# Altium PCB old PT1000_16CH.PCBDOC (part 4 of 5) (continued)
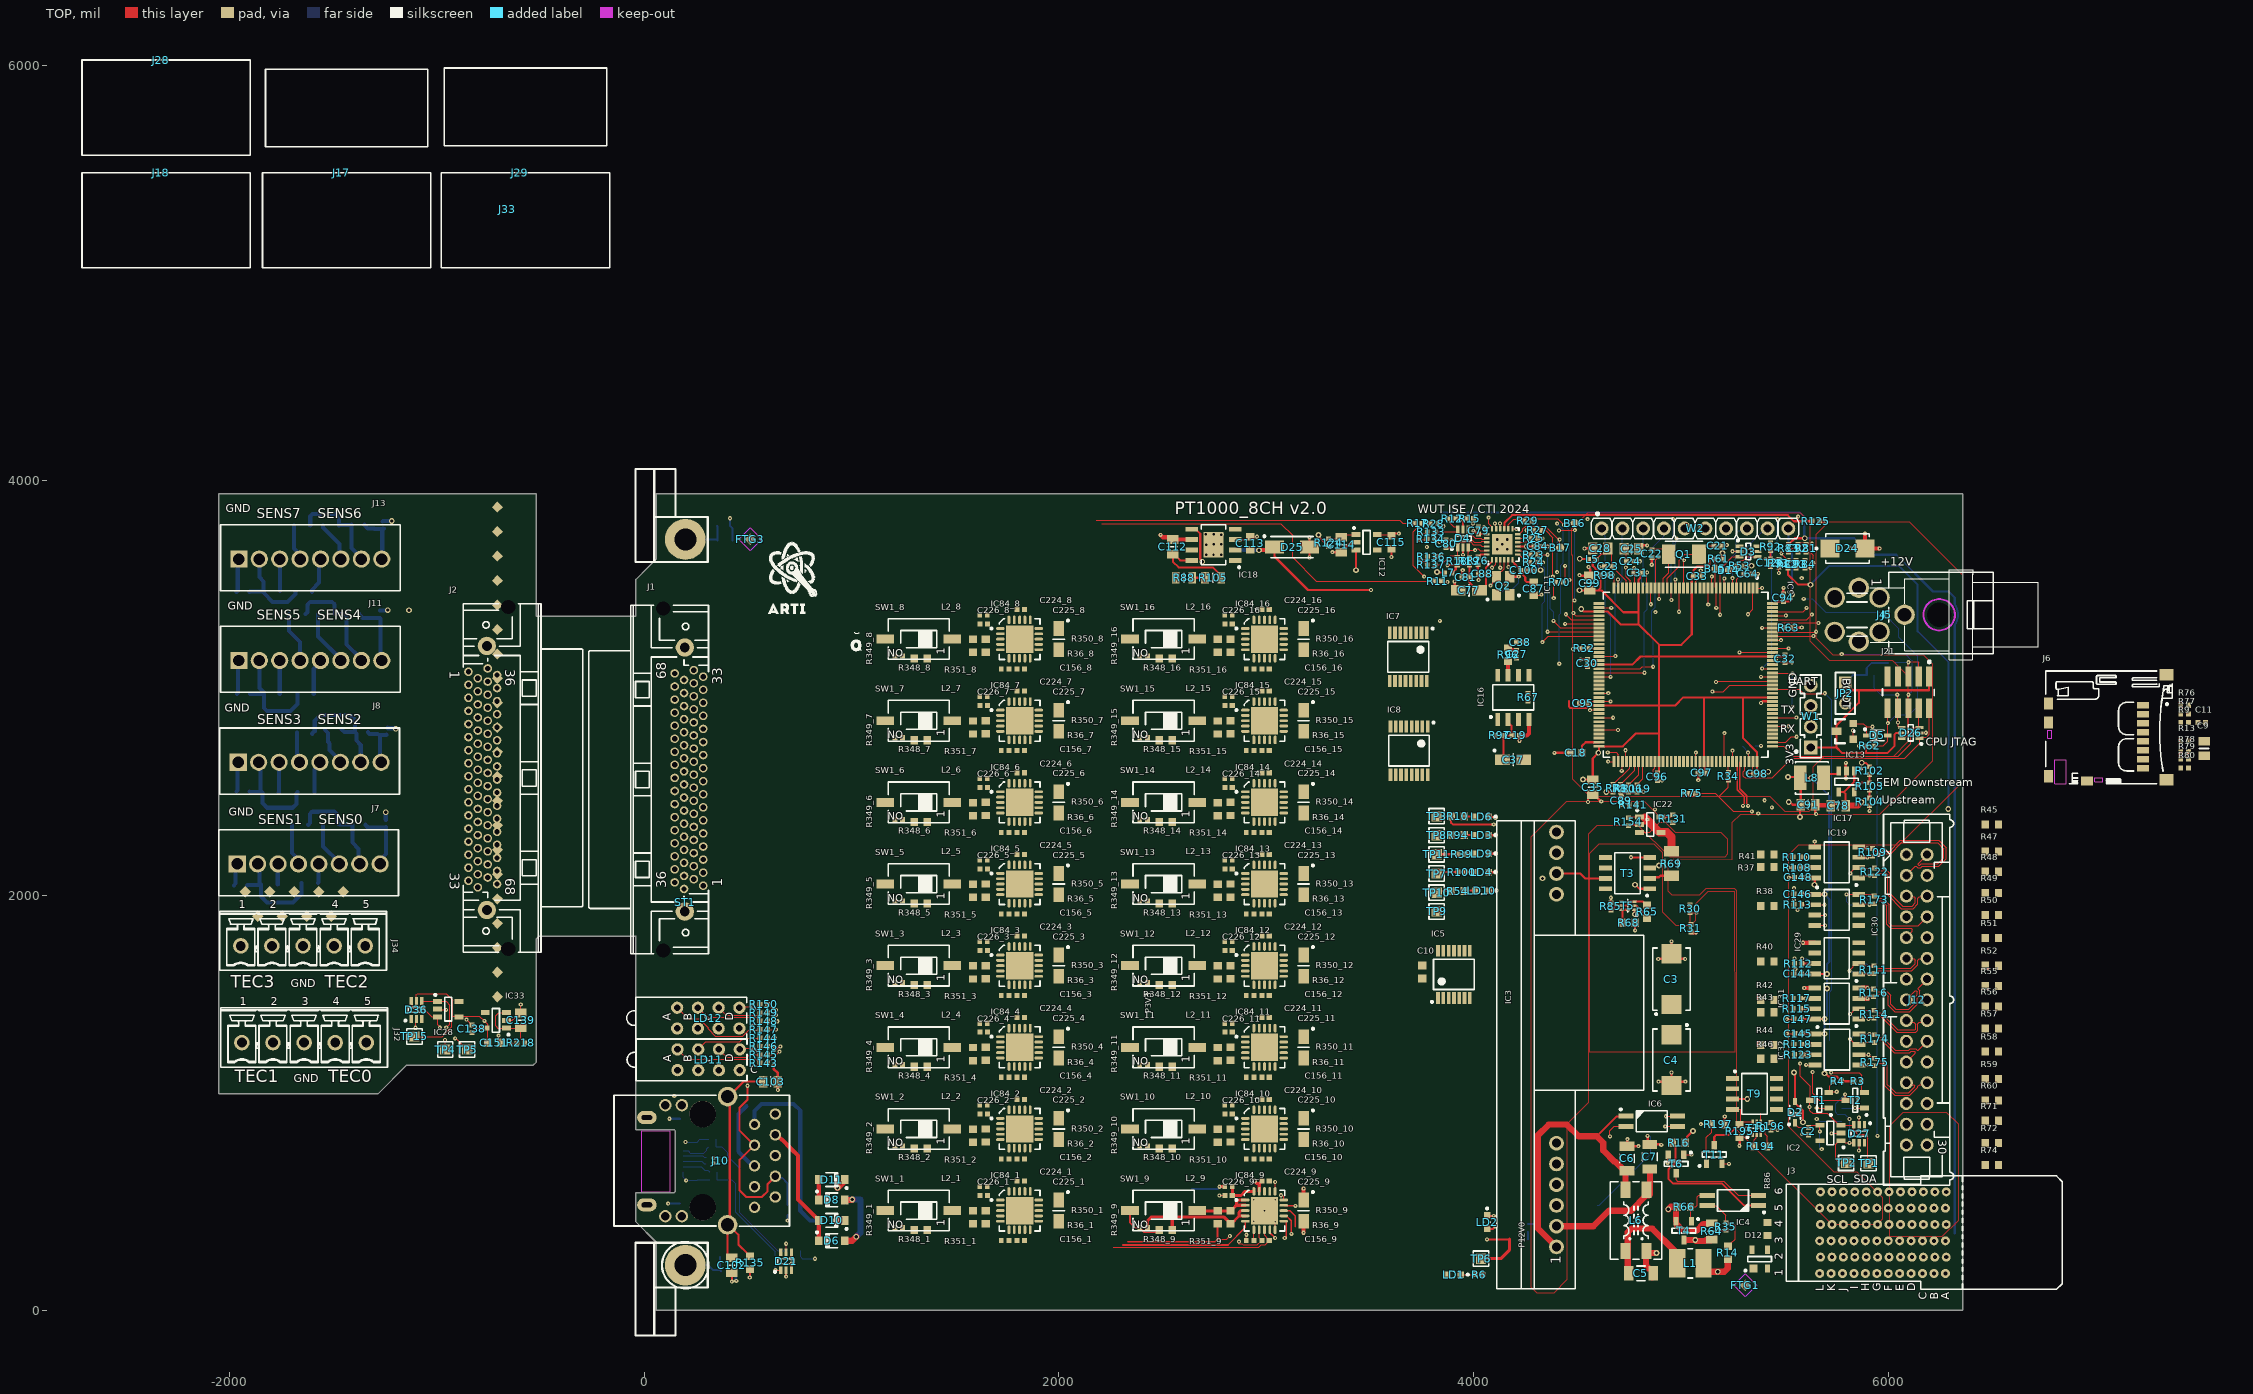
[diagram p0: TOP view]
## Nets (pads, with @x,y where several pads share a name; then routed paths per layer and width w, separated by ;. In a path a pad name is that pad's centre, name@x,y a point inside that pad or via, vN(x,y) a via of type N, cw(c..) or ccw(c..) an arc to the next point about the centre after c; other vN are vias at no path point) (continued)
  BOT w5: R2.1@5776.32,975 v1(5839.31,975)
NetR65_1: R65.1 T5.2 | length 94.6
  TOP w10: T5.2@4775.21,1950.79 4776.12,1949.88 4787.7,1949.88 4822.53,1915.05 4822.53,1902.49 4835.25,1889.77 R65.1@4837.22,1889.77
NetR65_2: R65.2 R85.2 T5.3 T5.5 | length 200
  TOP w10: R85.2@4662.02,1928.27 4662.81,1928.27 4685.32,1950.79 T5.5@4713,1950.79 4739.23,1950.79 4758,1969.57 4774.3,1969.57 T5.3@4775.21,1970.47 4817.54,1970.47 4835.25,1952.76 R65.2@4837.22,1952.76
NetR68_2: R68.2 T3.4 T5.6 | length 174.4
  TOP w10: T5.6@4713,1931.1 T5.6@4716.73,1931.1 ; R68.2@4717.63,1879.26 4717.63,1930.2 T5.6@4716.73,1931.1 ; v1(4744.09,1929.68) 4742.69,1929.68 4741.27,1931.1 T5.6@4716.73,1931.1 ; v1(4759.34,2184.27) 4760.31,2183.3 4848.06,2183.3 T3.4@4849.03,2182.33
NetR88_2: R88.2 R105.1 | length 61.3
  TOP w10: R88.2@2643.37,3532 R105.1@2704.63,3532
NetR103_1: R103.1 R104.2 | length 36.6
  TOP w10: R104.2@5910.44,2470.52 R103.1@5910.44,2507.13
NetR194_1: R194.1 T10.2 | length 61.9
  TOP w5: R194.1@5353.14,790.21 5353.14,821.77 5362.69,831.33 5362.69,843.3 T10.2@5366.1,846.7
NetR194_2: R194.2 R196.2 T10.3 T10.5 | length 231.4
  TOP w5: T10.5@5366.1,908.91 5366.1,883.78 5371.67,878.2 5388.78,878.2 ; T10.3@5385.78,846.7 5385.78,875.2 5388.78,878.2 ; R194.2@5416.13,790.21 5416.13,839.45 5405.89,849.68 5405.89,878.2 ; R196.2@5433.85,905.36 5433.06,905.36 5405.89,878.2 ; 5388.78,878.2 5405.89,878.2
NetR195_2: R195.2 T9.4 T10.6 T11.3 | length 351
  TOP w5: T9.4@5248.81,968.16 5286.83,968.16 5289.76,965.23 5289.76,902.22 5296.46,908.91 T10.6@5346.41,908.91
  TOP w10: T11.3@5160.91,796.11 5160.91,835.5 5171.23,845.83 5231.38,845.83 ; 5231.4,845.82 5281.1,895.52 R195.2@5283.07,895.52
NetR348_1_2: R348_1.2 R349_1.2 SW1_1.2
NetR348_2_2: R348_2.2 R349_2.2 SW1_2.2
NetR348_3_2: R348_3.2 R349_3.2 SW1_3.2
NetR348_4_2: R348_4.2 R349_4.2 SW1_4.2
NetR348_5_2: R348_5.2 R349_5.2 SW1_5.2
NetR348_6_2: R348_6.2 R349_6.2 SW1_6.2
NetR348_7_2: R348_7.2 R349_7.2 SW1_7.2
NetR348_8_2: R348_8.2 R349_8.2 SW1_8.2
NetR348_9_2: R348_9.2 R349_9.2 SW1_9.2 | length 222.2
  TOP w7.87: SW1_9.2@2343.42,480.32 2343.42,421.26 2366.23,398.44 R349_9.2@2391.04,398.44 ; R349_9.2@2391.04,397.66 2412.39,376.3 2473.82,376.3 R348_9.2@2484.03,386.52
NetR348_10_2: R348_10.2 R349_10.2 SW1_10.2
NetR348_11_2: R348_11.2 R349_11.2 SW1_11.2
NetR348_12_2: R348_12.2 R349_12.2 SW1_12.2
NetR348_13_2: R348_13.2 R349_13.2 SW1_13.2
NetR348_14_2: R348_14.2 R349_14.2 SW1_14.2
NetR348_15_2: R348_15.2 R349_15.2 SW1_15.2
NetR348_16_2: R348_16.2 R349_16.2 SW1_16.2
NRST: IC9.129 IC11.15 R125.2 | length 1562.6
  TOP w5: 5565.52,3804.39 v1(5565.52,3826.46)
  TOP w10: IC11.15@4148.41,3767.72 4148.41,3796.3 4186.46,3834.34 5515.14,3834.34 5545.09,3804.39 5565.52,3804.39 R125.2@5632.23,3804.39
P3V0REF: C27.2 C38.1 IC16.6 R54.1 R70.2 TP10.1 | length 157.2
  TOP w5: v1(4387,3434) 4387,3500.96 R70.2@4396.87,3510.83
  TOP w10: TP10.1@3821.87,2013.51 3829.76,2021.4 R54.1@3892.37,2021.4
  L2 w5: v1@4385.25,3432.25 v1(4387,3434)
P3V3: C9.2 C11.1 C29.1 C30.1 C31.1 C32.1 C33.1 C35.1 C84.2 C91.1 C94.1 C95.1 C96.1 C97.1 C98.1 C99.1 C144.2 C145.2 C146.2 C147.2 C148.2 C224_1.1 C224_2.1 C224_3.1 C224_4.1 C224_5.1 C224_6.1 C224_7.1 C224_8.1 C224_9.1 C224_10.1 C224_11.1 C224_12.1 C224_13.1 C224_14.1 C224_15.1 C224_16.1 C225_1.1 C225_2.1 C225_3.1 C225_4.1 C225_5.1 C225_6.1 C225_7.1 C225_8.1 C225_9.1 C225_10.1 C225_11.1 C225_12.1 C225_13.1 C225_14.1 C225_15.1 C225_16.1 D2.2 D3.5 D12.4 D26.5 IC7.6 IC7.16 IC8.16 IC9.17 IC9.30 IC9.39 IC9.52 IC9.62 IC9.72 IC9.84 IC9.95 IC9.108 IC9.121 IC9.131 IC9.143 IC9.144 IC11.9 IC12.3 IC13.3 IC18.5 IC19.8 IC23.1 IC29.8 IC30.1 IC31.8 IC32.1 IC36.1 IC39.8 IC40.1 IC41.8 IC84_1.19 IC84_2.19 IC84_3.19 IC84_4.19 IC84_5.19 IC84_6.19 IC84_7.19 IC84_8.19 IC84_9.19 IC84_10.19 IC84_11.19 IC84_12.19 IC84_13.19 IC84_14.19 IC84_15.19 IC84_16.19 J6.4 J21.1 JP2.1 L2_1.2 L2_2.2 L2_3.2 L2_4.2 L2_5.2 L2_6.2 L2_7.2 L2_8.2 L2_9.2 L2_10.2 L2_11.2 L2_12.2 L2_13.2 L2_14.2 L2_15.2 L2_16.2 L5.2 L7.2 L8.2 LD1.2 R3.2 R4.2 R5.1 R7.2 R9.2 R13.2 R16.2 R20.1 R21.1 R22.1 R33.2 R53.1 R61.1 R62.1 R67.2 R76.2 R77.2 R78.2 R79.2 R80.2 R92.2 R94.1 R98.1 R99.1 R102.2 TP8.1 W1.1 W2.10 | length 14681.6
  TOP w10: IC18.5@2641.73,3765.94 2660.43,3765.94 2682.24,3744.13 2682.24,3623.51 2692,3613.75 v2(2692,3609) ; v2(3433.3,3568.89) IC12.3@3433.3,3665.68 ; v2(3824.25,3559.43) 3826.41,3557.27 3858.89,3557.27 L7.2@3861.05,3555.12 ; IC11.9@4213.37,3683.07 v2(4256.99,3683.07) C84.2@4290.93,3683.07 ; 4460.37,2936.95 4460.37,2910.69 4466.44,2904.61 4543.59,2904.61 4546.53,2907.55 C95.1@4546.53,2926.81 4557.26,2916.08 IC9.62@4604.44,2916.08 4894.8,2916.08 ; v2(4511.35,3471.2) C99.1@4560.15,3471.2 4600.91,3471.2 ; v2(4512.04,3623.22) 4513.59,3621.67 4553.28,3621.67 L5.2@4554.83,3620.12 ; v2(4518.96,3381.63) 4531.75,3368.84 IC9.39@4604.44,3368.84 4648.5,3368.84 4710.52,3306.82 4796.37,3306.82 ; v2(4528.24,2559.5) 4572.68,2559.5 C35.1@4575.09,2557.09 4575.09,2660.69 v2(4602.14,2687.74) 4604.44,2690.04 IC9.72@4604.44,2719.23 4719.94,2719.23 4781.45,2780.75 4894.8,2780.75 ; C30.1@4549.32,3103.09 4559.17,3112.93 IC9.52@4604.44,3112.93 4766.04,3112.93 4805.41,3152.3 4894.8,3152.3 ; L5.2@4554.83,3623.22 L5.2@4554.83,3620.12 ; v2(4639.76,2499.02) 4640.35,2498.43 R7.2@4673.23,2498.43 ; C31.1@4810.15,3555.12 4802.95,3547.91 4802.95,3530.18 4796.37,3523.6 4796.37,3365.72 ; C96.1@4886.24,2590.89 4894.8,2599.44 4894.8,2780.75 ; R16.2@5008.29,792.49 5021,805.2 R16.2@5021,807.17 5029.65,815.82 5029.65,836 v2(5058.28,864.63) ; C33.1@5052.28,3539.83 IC9.17@5052.28,3482.03 5052.28,3258.94 5001.73,3208.39 4894.8,3208.39 ; C33.1@5060.44,3539.83 5060.44,3567.03 5080.36,3586.95 5130.25,3586.95 5137.91,3594.6 5137.91,3617 5143.51,3622.6 R61.1@5165.12,3622.6 ; C97.1@5119.21,2591.28 5113.22,2597.26 5113.22,2643.52 IC9.95@5111.33,2645.41 5111.33,2953.56 5113.22,2955.45 ; v2(5200.92,3651.76) 5200.92,3629.8 5202.12,3623.39 ; 5302.66,3589.57 v2(5340.68,3589.57) ; v2(5327.87,3658.46) D3.5@5369.09,3658.46 D3.5@5371.97,3661.34 ; v2(5420.77,2596.46) 5416.31,2596.46 5406.8,2586.94 C98.1@5384.95,2586.94 5377.75,2594.15 5377.75,2597.26 5367.24,2607.78 IC9.108@5367.24,2645.41 5367.24,2691.34 5298.72,2759.86 5298.72,2955.45 ; R92.2@5432.28,3699.61 R92.2@5433.07,3699.61 R92.2@5433.86,3699.61 ; IC9.121@5441.06,2955.45 5298.72,2955.45 ; IC9.144@5441.06,3408.21 5462.71,3408.21 5472.55,3418.05 C94.1@5494.21,3418.05 5526.37,3418.05 5535.93,3427.61 v2(5535.93,3451.34) ; C32.1@5503.06,3160.18 5495.19,3152.3 IC9.131@5441.06,3152.3 4894.8,3152.3 ; v2(5517,2571) 5559.9,2571 5565.51,2576.61 L8.2@5575.22,2566.9 ; v2(5520,2451) 5525.77,2451 5539.28,2437.49 C91.1@5578.04,2437.49 ; v2(5545.74,1146) 5551.18,1140.56 D2.2@5551.18,1006.5 5551.18,998.62 5589,960.8 v2(5589,907) ; v2(5574.39,2378.03) 5574.39,2433.85 C91.1@5578.04,2437.49 ; C147.2@5581.17,1403.79 IC31.8@5645.41,1403.79 v2(5693,1403.79) ; C144.2@5581.17,1621.79 IC29.8@5645.41,1621.79 v2(5704.47,1621.79) ; C146.2@5581.17,2006.6 5581.78,2005.99 5644.8,2005.99 IC30.1@5645.41,2005.38 ; C148.2@5583.14,2087.61 5584.8,2085.95 5643.76,2085.95 IC19.8@5645.42,2084.29 5645.42,2052.74 v2(5644.8,2052.12) ; C145.2@5584.46,1333.65 v2(5693,1333.65) ; W1.1@5625.98,2713.39 5750.26,2713.39 ; v2(5628.66,2566.9) L8.2@5575.22,2566.9 ; IC30.1@5645.41,2005.38 v2(5693,2005.37) ; v2(5693,1142) 5697.75,1142 5713.61,1126.14 5752.54,1126.14 5773.96,1104.73 R4.2@5773.96,1103.94 ; R4.2@5775.98,1105.96 R4.2@5773.96,1103.94 ; JP2.1@5792.58,3026.02 5828.88,2989.72 5858.01,2989.72 ; R3.2@5835.32,1103.94 R4.2@5773.96,1103.94 ; v1(5858.15,2721.2) 5893.08,2721.2 R62.1@5893.17,2721.3 5893.17,2687.74 ; v2(5872.2,2639.58) 5891.68,2639.58 R102.2@5910.44,2620.82 ; D26.5@6064.58,2783.99 6038.93,2783.99 6029.53,2774.59 6029.53,2720.26 5997,2687.74 5893.17,2687.74 ; J21.1@6196.85,3051.18 6196.85,2989.72 5858.01,2989.72 ; L5.2@4554.83,3620.12 4554.83,3619.72 4569.24,3605.31 4569.24,3603.77 4575.07,3597.94 4575.07,3589.52 4597.71,3566.88 4597.71,3561.09 4613.26,3545.54 R98.1@4613.26,3544.75 4613.26,3483.55 4600.91,3471.2 ; 4600.91,3471.2 4616.93,3471.2 4722.42,3365.72 4796.37,3365.72 ; 4796.37,3306.82 4796.37,3365.72 ; 4796.37,3306.82 4894.8,3208.39 ; 4894.8,2780.75 4894.8,2916.08 ; 4894.8,2916.08 4894.8,3152.3 ; 4894.8,2916.08 4972.63,2916.08 5012,2955.45 5113.22,2955.45 ; 4894.8,3152.3 4894.8,3208.39 ; 5113.22,2955.45 5298.72,2955.45 ; L8.2@5575.22,2566.9 5578.04,2564.09 C91.1@5578.04,2437.49 ; 5750.26,2713.39 5775.9,2687.74 5893.17,2687.74 ; 5750.26,2713.39 IC13.3@5750.26,2792.16 5750.26,2821.39 5858.01,2929.14 5858.01,2989.72
  TOP w15: v1@2775.58,596.37 L2_9.2@2800.18,596.37 ; v3(2943.39,623.23) 2956.39,610.23 2966.54,610.23 ; IC84_9.19@2966.54,572.83 2966.54,610.23 ; C224_9.1@2979.53,623.23 2966.54,610.24
  TOP w19.68: C225_9.1@3181.1,531.5 v1(3181.1,587.12)
  L2 w10: v2(2692,3609) 3393.2,3609 v2(3433.3,3568.89) 3810.03,3568.89 3819.5,3559.43 v2(3824.25,3559.43) ; v2(4322.82,3568.89) 4348.12,3568.89 4408.2,3628.98 4512.05,3623.39 v2(4512.04,3623.22) ; v2@4329.87,2079.63 v2(4332.57,2082.33) ; v2(4528.24,2559.5) 4579.28,2559.5 v2(4639.76,2499.02) ; v2(5200.92,3651.76) 5204.54,3651.76 5223.08,3670.3 5231.2,3670.3 5258.91,3698.01 5288.33,3698.01 v2(5327.87,3658.46) ; v2(5420.77,2596.46) 5490.69,2596.46 5516.14,2571 v2(5517,2571) ; v2(5545.74,1146) 5550.49,1146 5567.71,1128.78 5675.03,1128.78 5688.25,1142 v2(5693,1142) ; v2(5628.66,2566.9) 5751.12,2566.9 5823.8,2639.58 v2(5872.2,2639.58) 5872.2,2684.13 5858.15,2698.18 v1(5858.15,2721.2) ; v2(5644.8,2052.12) 5645.53,2052.12 5692.28,2005.37 v2(5693,2005.37)
  BOT w10: v2(4256.99,3683.07) 4292.67,3683.07 ; R99.1@4280.24,3820.67 4280.24,3819.88 4306.81,3793.31 4306.81,3780.85 4326.17,3761.5 R22.1@4326.17,3760.71 4326.17,3759.92 4305.61,3739.36 4305.61,3696.02 4292.67,3683.07 ; v2(4322.82,3568.89) 4313.61,3578.11 4313.61,3599.38 R21.1@4307.67,3605.32 4307.67,3668.07 4292.67,3683.07 ; v2(5327.87,3658.46) 5327.87,3607.13 5340.68,3594.32 v2(5340.68,3589.57) ; W2.10@5518.1,3769.91 5518.1,3672.75 5535.93,3654.91 v2(5535.93,3451.34) ; v2(5628.66,2566.9) 5715.54,2480.01 5715.54,2027.92 v2(5693,2005.37) ; v2(5644.8,2052.12) 5644.8,2083.67 IC23.1@5645.42,2084.29 ; IC40.1@5645.41,1403.79 v2(5693,1403.79) 5693,1408.54 5704.47,1420.01 v2(5704.47,1551.51) v2(5704.47,1621.79) ; IC36.1@5645.41,1621.79 v2(5704.47,1621.79) ; IC39.8@5645.42,2005.37 v2(5693,2005.37) ; IC41.8@5646.65,1331.89 5691.24,1331.89 v2(5693,1333.65) ; v2(5693,1142) v2(5693,1333.65) ; v2@5693,1403.16 v2(5693,1333.65) ; JP2.1@5792.58,3026.02 5829.39,3062.83 R33.2@5896.12,3062.83 5896.12,3097.48 5920.58,3121.94 C29.1@5997.75,3121.94 ; v2(5693,2005.37) 5715.54,1982.83 5715.54,1680.04 5704.47,1668.97 v2(5704.47,1621.79)
  other v1: 2774.68,595.47
P3V3_AFE: C138.2 C151.2 D36.5 IC28.4 IC33.5 TP15.1 | length 903.7
  TOP w5: TP15.1@-1107.13,1319.88 -1106.13,1318.88 -974.11,1318.88 -927.08,1365.91 -927.08,1413.61 -922.5,1418.19 ; D36.5@-1097.28,1491.14 -1097.28,1522.66 -1093.06,1526.89 -954.42,1526.89 -922.5,1494.96 -922.5,1418.19 ; C138.2@-830.55,1339.57 -809.88,1360.24 IC33.5@-765.59,1360.24 ; C151.2@-753.78,1289.37 -753.78,1360.24 -753.78,1378.78 v1(-770,1395) -793.72,1418.72 -888.21,1418.72 IC28.4@-892.56,1414.37 -896.38,1418.19 -922.5,1418.19
P3V3_MP: C1.2 C2.2 C10.2 D2.1 D27.5 IC1.8 IC2.4 IC5.14 J12.30 R10.1 TP3.1 | length 1127.7
  TOP w5: D2.1@5551.18,896.26 5565.86,881.58 C2.2@5615.89,881.58 5626.12,891.82 IC2.4@5670.02,891.82 v1(5670.02,862.29) ; v1(5858.01,770.04) 5859.72,771.76 D27.5@5859.72,807.17
  TOP w10: TP3.1@3821.87,2382.85 3823.8,2380.93 R10.1@3892.37,2380.93 3892.37,2350.77 3900.23,2342.92 v1(4097.39,2342.92)
  L2 w5: v1(5679.29,776.41) 5847.67,776.41 5854.04,770.04 v1(5858.01,770.04) 5870.28,757.79 6148.18,757.79 J12.30@6187.18,796.79
  BOT w5: v1(5670.02,862.29) 5670.02,786.68 5679.29,777.41 v1(5679.29,776.41)
P3V3IO: C115.2 IC12.5 | length 111.1
  TOP w5: IC12.5@3535.67,3740.49 3598.52,3740.49 C115.2@3604.43,3734.58
  TOP w10: C115.2@3604.43,3734.58 3614.6,3744.76 3640.1,3744.76 v1(3640.14,3744.72)
P5V0: C78.2 IC17.1 IC17.4 R82.1 R100.1 R124.1 TP7.1 | length 5859.4
  TOP w10: v2(3252,3738) 3255.36,3734.64 3255.36,3727.87 3299.96,3683.27 R124.1@3300.75,3683.27 ; TP7.1@3821.87,2105.85 3828.31,2112.29 R100.1@3924.66,2112.29 ; R82.1@5516.41,3578.67 5516.41,3547.36 5565.19,3498.58 v2(5624.64,3498.58) ; IC17.4@5761.29,2498.19 5785.89,2498.19 ; C78.2@5794.15,2433.2 5794.15,2489.92 5785.89,2498.19 ; IC17.1@5833.14,2603.5 IC17.1@5836.09,2600.55 5836.09,2548.39 5785.89,2498.19
  TOP w30: C78.2@5794.15,2433.2 5853.29,2433.2 v2(5870.52,2450.43)
  L2 w10: 6272.21,2400.21 v2(6289,2417)
  L2 w30: 4761.58,595.43 5952.58,595.43 ; v2(5870.52,2450.43) 6205.57,2450.43 6272.79,2383.21 ; 6149.43,595.43 6281,727 6281,2375
  BOT w10: v2(5624.64,3498.58) 5715.08,3589.02 6050.98,3589.02 6142,3498 6142,3273.47 6291,3124.47 6291,2419 v2(6289,2417)
P5V0_AFE: L10.2 L11.2 L12.2 L13.2 R218.1 | length 1022.6
  TOP w5: v1(-644.34,1286.03) -616.18,1286.03 R218.1@-612.83,1289.37
  L2 w5: v1@-645.16,1286.84 v1(-644.34,1286.03)
  L2 w19.68: -874.82,2179.06 -700,2004.25 -700,1357.94 -644.34,1302.28 v1(-644.34,1286.03)
  other v2: -1133,3375
P5V0A: C113.2 D25.1 IC18.1 IC18.2 R1.2 R2.2 R39.1 TP11.1 | length 968.8
  TOP w5: TP11.1@3821.87,2198.18 TP11.1@3822.33,2198.64
  TOP w10: D25.1@3026.96,3666.73 D25.1@3040.35,3680.11 3040.35,3634.6 3201.92,3473.03 v1(3505.47,3473.03) ; TP11.1@3822.33,2198.64 R39.1@3924.66,2198.64
  TOP w19.68: v2@2966.94,3665 3033,3665 D25.1@3034,3666
  BOT w5: v1(5655,922) 5658.97,922 5668.97,912.01 R2.2@5776.32,912.01
  BOT w19.68: 2889.55,3665 v2(2966,3665)
P12V0: IC22.4 J3.A1 J3.D1 J3.E1 J3.G1 J3.H1 J3.J1 J3.K1 R69.2 R83.2 R88.1 R90.2 R97.1 TP6.1 | length 6468.2
  TOP w10: R88.1@2552.75,3515.75 R88.1@2565,3528 ; v1(4065.23,341.62) 4173.15,341.62 ; R97.1@4107.48,2771.65 R97.1@4107.48,2772.44 ; R83.2@5519.69,3693.07 5520.47,3693.07 5550.09,3722.69 v2(5597.13,3722.69)
  TOP w15.75: TP6.1@4036.11,249 4132.14,249 4173.15,290.01 4173.15,341.62
  TOP w40: 4826.33,2374.73 IC22.4@4896.71,2304.36 ; IC22.4@4903.54,2304.36 4933.24,2304.36 4954.72,2282.88 R69.2@4954.72,2213.03
  BOT w10: 3841.3,3846.3 5575.02,3846.3 5594.86,3826.46 5594.86,3724.95 v2(5597.13,3722.69) 5719.01,3722.69 5836.14,3722.69 5915.88,3642.94 6038.87,3642.94 6215.81,3466 6291,3466 6317.76,3439.24 6320.69,3436.31 6320.69,3404.5 cw(c6245.7,3353.73) 6336.26,3353.6 6336.26,3352.9 cw(c6245.7,3353.73) 6320.69,3302.95 6320.69,370.69 ; 4262.08,341.62 4262.08,377.44 R90.2@4262.8,378.15
P12V0_EEM: J12.28 J12.29 T9.5 T9.6 T9.7 T9.8 T10.4 | length 44.4
  TOP w5: T10.4@5385.78,908.91 5385.78,925.2 5384.93,926.06 5384.93,930.2 5385.78,931.06 5385.78,949.49 ; T9.5@5459.23,970.34 T9.5@5461.41,968.16
P12V0_IN: D24.1 IC22.5 J4.3 J5.3 J5.4 R69.1 R131.2 T3.1 T3.2 T3.3 T5.1 T9.1 T9.2 T9.3 T10.1 | length 373.8
  TOP w10: T5.1@4775.21,1931.1 4777.65,1931.1 4778.56,1930.2 4776.88,1930.2 4776.88,1911.27 v2(4778.56,1909.6) ; v2(4778.56,2052.12) 4779.67,2052.12 4799.46,2032.33 T3.1@4849.03,2032.33 ; T3.2@4849.03,2082.33 4854.34,2087.64 4894.54,2087.64 4901.81,2094.92 R69.1@4954.72,2094.92 ; IC22.5@4903.54,2379.16 4913.39,2379.16 R131.2@4949.92,2379.16 ; T9.3@5248.81,1018.16 T9.3@5248.81,1018.16 v2(5320.05,1018.24) v2(5320.05,1018.24) ; v2(5321.31,874.89) 5323.54,874.89 5346.41,852.02 T10.1@5346.41,846.7
  other v2: 4894.8,2144.52
P12V0_POE: C3.1 C4.1 IC3.8 R30.2 T3.5 T3.6 T3.7 T3.8 T5.4 | length 246.1
  TOP w10: IC3.8@4400,2105.72 4514.26,2105.72 4537.65,2082.33 T3.7@4636.43,2082.33
PC13: IC9.7 W2.9 | length 363.1
  TOP w5: IC9.7@5249.13,3482.03 v1(5249.13,3530.51)
  BOT w5: v1(5249.13,3530.51) 5249.13,3609.82 5409.22,3769.91 W2.9@5418.1,3769.91
PC14: IC9.8
PC15: IC9.9 W2.8 | length 349.9
  TOP w5: IC9.9@5209.76,3482.03 v1(5209.76,3528.65)
  BOT w5: v1(5209.76,3528.65) 5209.76,3594.94 5266.28,3651.46 5266.28,3747.39 5277.14,3758.25 5306.44,3758.25 W2.8@5318.1,3769.91
PF9: IC9.21
PF9_ADCIN: W2.7 | length 500.4
  TOP w5: 4973.54,3482.03 v1(4973.54,3523.6)
  L2 w5: v1(4979.57,3721.16) 5169.36,3721.16 W2.7@5218.11,3769.91
  BOT w5: v1(4973.54,3523.6) 4973.54,3701.32 4976.76,3704.55 4976.76,3718.35 v1(4979.57,3721.16)
PF10: IC9.22
PF10_ADCIN: W2.6 | length 624.6
  TOP w5: v1(4953.85,3424.96) 4953.85,3482.03
  L2 w5: v1(4962,3814.5) 5010.14,3814.5 5073.52,3814.5 W2.6@5118.11,3769.91
  BOT w5: v1(4953.85,3424.96) 4953.85,3634.79 4962,3642.94 v1(4962,3814.5)
PF12: IC9.50 W2.2 | length 710.4
  TOP w5: IC9.50@4604.44,3152.3 4605.79,3153.65 4682.65,3153.65 v1(4684,3155)
  BOT w5: v1(4684,3155) 4684,3486.07 4718.11,3520.18 4718.11,3573.74 4717.24,3574.61 4717.24,3672.17 4718.11,3673.04 W2.2@4718.11,3769.91
PF13: IC9.53 W2.4 | length 973.9
  TOP w5: IC9.53@4604.44,3093.25 4804.17,3093.25 4814.02,3103.09 v1(4866.14,3103.09)
  BOT w5: v1(4866.14,3103.09) 4866.14,3237.13 4859.66,3243.61 4859.66,3373.68 4877,3391.02 4877,3605.2 4859.66,3622.54 4859.66,3673.27 4918.11,3731.73 W2.4@4918.11,3769.91
PF14: IC9.54 W2.3 | length 938.4
  TOP w5: IC9.54@4604.44,3073.56 4824.55,3073.56 v1(4824.8,3073.82)
  BOT w5: W2.3@4818.11,3769.91 4819.61,3768.41 4819.61,3572 4810.15,3562.53 4810.15,3510.7 4838.08,3482.76 4838.08,3379.03 4824.5,3365.45 4824.5,3074.12 v1(4824.8,3073.82)
PF15: IC9.55 W2.1 | length 790.4
  TOP w5: IC9.55@4604.44,3053.88 v1(4661.04,3053.88)
  BOT w5: W2.1@4618.11,3769.91 4618.11,3750.6 4635.57,3733.14 4635.57,3369.61 4661.04,3344.13 v1(4661.04,3053.88)
PHY_RD_N: D4.1 IC11.22 R18.2 R137.1 | length 346.6
  TOP w6: R137.1@3813.74,3593.89 3845.29,3593.89 3889.54,3638.14 3913.07,3638.14 R18.2@3921.48,3629.72 3923.61,3631.85 3923.61,3689.17 3933.32,3698.89 3933.32,3700.36 3938.01,3705.05 3985.97,3705.05 3998.94,3692.08 4031.48,3692.08 4040.49,3683.07 IC11.22@4063.77,3683.07
PHY_RD_P: D4.3 IC11.23 R19.2 R136.1 | length 354.3
  TOP w6: R136.1@3814.92,3633.86 3814.92,3634.65 3823.34,3643.06 3826.22,3643.06 3826.86,3643.7 v1@3844.43,3643.7 ; 3974.79,3658.51 D4.3@3974.79,3678.35 ; R19.2@3979.9,3629.72 3974.79,3634.84 3974.79,3655.45 3976.62,3657.28 3976.62,3658.51 3980.21,3662.1 3983.11,3665 4006.39,3665 4008,3663.39 4009.34,3663.39 4018.36,3672.4 4023.33,3672.4 4032.34,3663.39 IC11.23@4063.77,3663.39
  L2 w6: v1(3846.06,3643.7) 3916.38,3643.7 3937.68,3665 v1(4008,3665)
PHY_TD_N: D4.4 IC11.20 R15.1 R134.1 | length 467.8
  TOP w6: R134.1@3817.85,3723.2 R134.1@3812.56,3717.91 3812.56,3717.12 3820.98,3708.7 3821.77,3708.7 3824.33,3706.14 3833.25,3706.14 v1(3835.87,3703.52) ; v1(3997.74,3793.1) 3997.74,3813.73 3997.74,3814.51 R15.1@4000.22,3817 4000.22,3814.51 4000.22,3793.1 3995.12,3787.99 3995.12,3785.29 3988.15,3778.32 3979.66,3778.32 3974.79,3773.45 3974.79,3754.13 3965.37,3744.72 3965.37,3738.28 3968.89,3734.76 3996,3734.76 4008.88,3721.89 4036.4,3721.89 4040.19,3718.1 4051.35,3718.1 4055.7,3722.44 IC11.20@4063.77,3722.44
  L2 w6: v1(3835.87,3703.52) 3925.45,3793.1 v1(3997.74,3793.1)
PHY_TD_P: D4.6 IC11.21 R12.1 R133.1 | length 365.9
  TOP w6: R133.1@3813.74,3753.34 3814.53,3754.13 D4.6@3923.61,3754.13 ; R12.1@3878.76,3817.34 3887.17,3808.93 3887.17,3795.63 3904.49,3778.32 3918.73,3778.32 3923.61,3773.45 D4.6@3923.61,3754.13 ; IC11.21@4063.77,3702.76 4055.7,3702.76 4051.35,3707.1 4040.33,3707.1 4036.4,3703.17 4003.41,3703.17 3990.53,3716.05 3960.22,3716.05 3933.32,3742.95 3933.32,3744.42 D4.6@3923.61,3754.13
POE_IN1: D7.2 D23.1 J10.5 | length 438.6
  BOT w20: 493.56,983.54 456.11,946.08 456.11,764 524.25,695.87 J10.5@533.04,695.87 ; D23.1@842.52,531.5 D7.2@842.52,629.92
POE_IN2: D6.1 D10.2 J10.8 | length 606.6
  TOP w20: J10.8@633.04,845.87 639.24,845.87 662.32,822.8 664.91,822.8 709.97,777.73 742.13,745.58 742.13,533.46 831.26,444.33 834.41,444.33 842.52,436.22 D10.2@842.52,433.07 ; D6.1@842.52,334.65 842.52,429.13 D10.2@846.46,433.07
POE_IN3: D8.1 D11.2 J10.10 | length 98.4
  TOP w20: D8.1@842.52,531.5 D11.2@842.52,629.92
POE_IN4: D9.1 D22.2 J10.9 | length 1003
  BOT w20: J10.9@533.04,895.87 533.04,960.93 567.02,994.91 721.62,994.91 753.6,962.94 753.6,479.44 799.97,433.07 D22.2@842.52,433.07 D9.1@842.52,334.65
POE_PWR_SRC: IC9.12 R30.1 R31.2 | length 589.8
  TOP w5: R31.2@5048.57,1860.49 5044.93,1864.13 R30.1@5044.93,1917.04 v1(5075.54,1917.04) ; v1(5149.27,3537.47) 5149.98,3536.75 5149.98,3482.75 IC9.12@5150.7,3482.03
  L2 w5: v1(5149.27,3537.47) 5194.05,3537.47 5204.43,3547.85 5350.27,3547.85 5367.61,3530.51 v1(5582.86,3530.51)
  other v1: 5563.08,1929.91
POE_VC+: D7.1 D10.1 D11.1 D22.1 L1.1 R14.2 | length 5080.2
  TOP w30: v2(925.2,433.07) D10.1@964.57,433.07 ; v2(933.07,590.55) 965.39,622.87 D11.1@965.39,623.66 ; L1.1@5108.14,208 5131.14,185 5171.72,185 v2(5178.15,185) 5208.8,185 5226.38,202.57 R14.2@5226.38,244.97
  L2 w30: v2(933.07,590.55) 925.2,582.68 925.2,275.59 1046.02,154.76 1046.96,154.76 1079.96,121.76 1159.64,42.09 5035.24,42.09 v2(5178.15,185)
  BOT w30: v2(925.2,433.07) D22.1@968.5,433.07 ; v2(933.07,590.55) 965.39,622.87 D7.1@965.39,623.66
POE_VC-: D6.2 D8.2 D9.2 D23.2 R35.1 R64.1 R66.1 T4.2 | length 834.5
  TOP w10: R64.1@5148.15,419.37 5157.01,419.37 5170.71,405.67 5170.71,403.44 5189.11,385.04 R35.1@5216.54,385.04
  TOP w30: D6.2@968.5,334.65 1003.94,334.65 v2(1023.62,354.33) ; D8.2@968.5,531.5 1001.97,531.5 v2(1003.94,533.46) ; v2(4939.59,487.28) 4950.85,498.54 4980.98,498.54 4983.57,495.95 4976.98,489.37 T4.2@4976.98,429.13 ; T4.2@4980.31,413.39 5009.7,384 5077.15,384 5108.82,415.67 5135.59,415.67 5139.29,419.37 R64.1@5148.15,419.37
  BOT w30: D9.2@964.57,334.65 1003.94,334.65 v2(1023.62,354.33) 1043.31,374.02 1043.31,533.46 v2(1003.94,533.46) 979.84,533.46 971.61,525.24 968.5,528.35 D23.2@968.5,531.5
RCC_MCO_1: IC9.100 | length 137.3
  TOP w5: IC9.100@5209.76,2645.41 v1(5209.76,2782.68)
RD_N: J10.6 R137.2 | length 7471.3
  TOP w6: v1(3737.53,3603.31) 3740.57,3603.31 3747.89,3610.62 3756.37,3610.62 3756.46,3610.54 3762.89,3610.54 3768.32,3605.11 3768.32,3602.31 R137.2@3776.73,3593.89
  L2 w5: J10.6@633.04,745.87 633.04,697.68 596.83,661.47 596.83,645.51 597.98,644.36 597.98,577.1 555.75,534.87 487.98,534.87 453.61,569.24 450.39,572.46 450.39,937.56 573.52,1060.7 573.52,1442.2 541.52,1474.19 506.6,1509.11 311.88,1509.11 238.22,1582.77 187.41,1633.58 187.41,2455.3 174.21,2468.5 163.21,2479.5 163.21,3396.29 460.99,3694.07 549.12,3782.19 2087.57,3782.19 3555.44,3782.19 3604.81,3732.82 3608.7,3728.93 3672.09,3665.54 3763.24,3665.54 3771.31,3657.47 3771.31,3621.72 3760.63,3611.04 3747.8,3611.04 3740.07,3603.31 v1(3737.53,3603.31)
RD_P: J10.3 R136.2 | length 7331.9
  TOP w6: v1@3734.84,3634.21 3737.04,3634.21 3749.64,3621.62 3760.93,3621.62 3761.01,3621.54 3766.38,3621.54 3777.92,3633.07 R136.2@3777.92,3633.86
  L2 w5: J10.3@533.04,595.87 579.91,642.74 584.05,642.74 586.98,639.81 586.98,581.65 551.19,545.87 492.54,545.87 461.39,577.02 461.39,933.01 584.52,1056.14 584.52,1446.75 511.16,1520.11 316.44,1520.11 198.41,1638.14 198.41,2459.86 174.21,2484.06 174.21,3391.73 465.55,3683.07 553.67,3771.19 2092.13,3771.19 3550.88,3771.19 3667.53,3654.54 3754.05,3654.54 3760.31,3648.28 3760.31,3626.27 3756.08,3622.04 3749.55,3622.04 3741.82,3629.77 v1(3739.28,3629.77)
RMII_CRS_DV: IC9.43 R27.1 | length 718.8
  TOP w5: R27.1@4327.15,3760.71 4347.6,3760.71 4382.5,3725.81 4382.5,3537.95 v1(4382.01,3537.47) ; v1(4385.45,3324) 4419.35,3290.1 4460.37,3290.1 4477.03,3290.1 IC9.43@4604.44,3290.1
  BOT w5: v1@4384.99,3534.49 4379.03,3534.49 4369.52,3524.98 4369.52,3381.71 4386,3365.23 4386,3324.55 v1(4385.45,3324)
RMII_MDC: B16.1 IC9.27 IC11.13 | length 1143.2
  TOP w5: IC11.13@4187.78,3767.72 4188.29,3767.21 v1(4206.92,3767.21) ; v1(4412.32,3759.81) 4414.39,3761.87 v1(4489.06,3761.87) 4489.06,3777.31 4487.75,3778.62 B16.1@4487.75,3795.81 ; v1(4855.43,3404.13) IC9.27@4855.43,3482.03
  L2 w5: v1(4206.92,3767.21) 4237.69,3767.21 4248.82,3778.34 4393.79,3778.34 v1(4412.32,3759.81) ; v1(4487.2,3423.23) 4836.33,3423.23 v1(4855.43,3404.13)
  BOT w5: v1@4411.87,3760.26 v1(4412.32,3759.81) ; v1(4487.2,3423.23) 4488,3424.02 4488,3464.46 4488,3760.82 v1(4489.06,3761.87)
RMII_MDIO: B17.1 IC9.36 IC11.12 R98.2 | length 812
  TOP w5: IC11.12@4213.37,3742.13 4221.44,3742.13 4237.67,3758.35 4237.67,3767.2 4250.89,3780.41 4345.37,3780.41 4406.45,3719.34 4412.56,3719.34 v1(4415.37,3716.53) ; v1@4415,3716 4416.69,3714.31 4416.69,3678.31 B17.1@4418,3677 ; R98.2@4650.27,3544.75 v1@4667.72,3544.75 ; v1(4672.99,3544.51) 4672.99,3539.48 4678.26,3534.21 IC9.36@4678.26,3482.03
  L2 w5: v1(4403.34,3559.43) 4406.01,3562.09 4655.4,3562.09 v1(4672.99,3544.51)
  BOT w5: v1(4403.34,3559.43) 4403.34,3704.04 4415.37,3716.07 v1(4415.37,3716.53)